# KiCad board pannel_v2.kicad_pcb (continued)
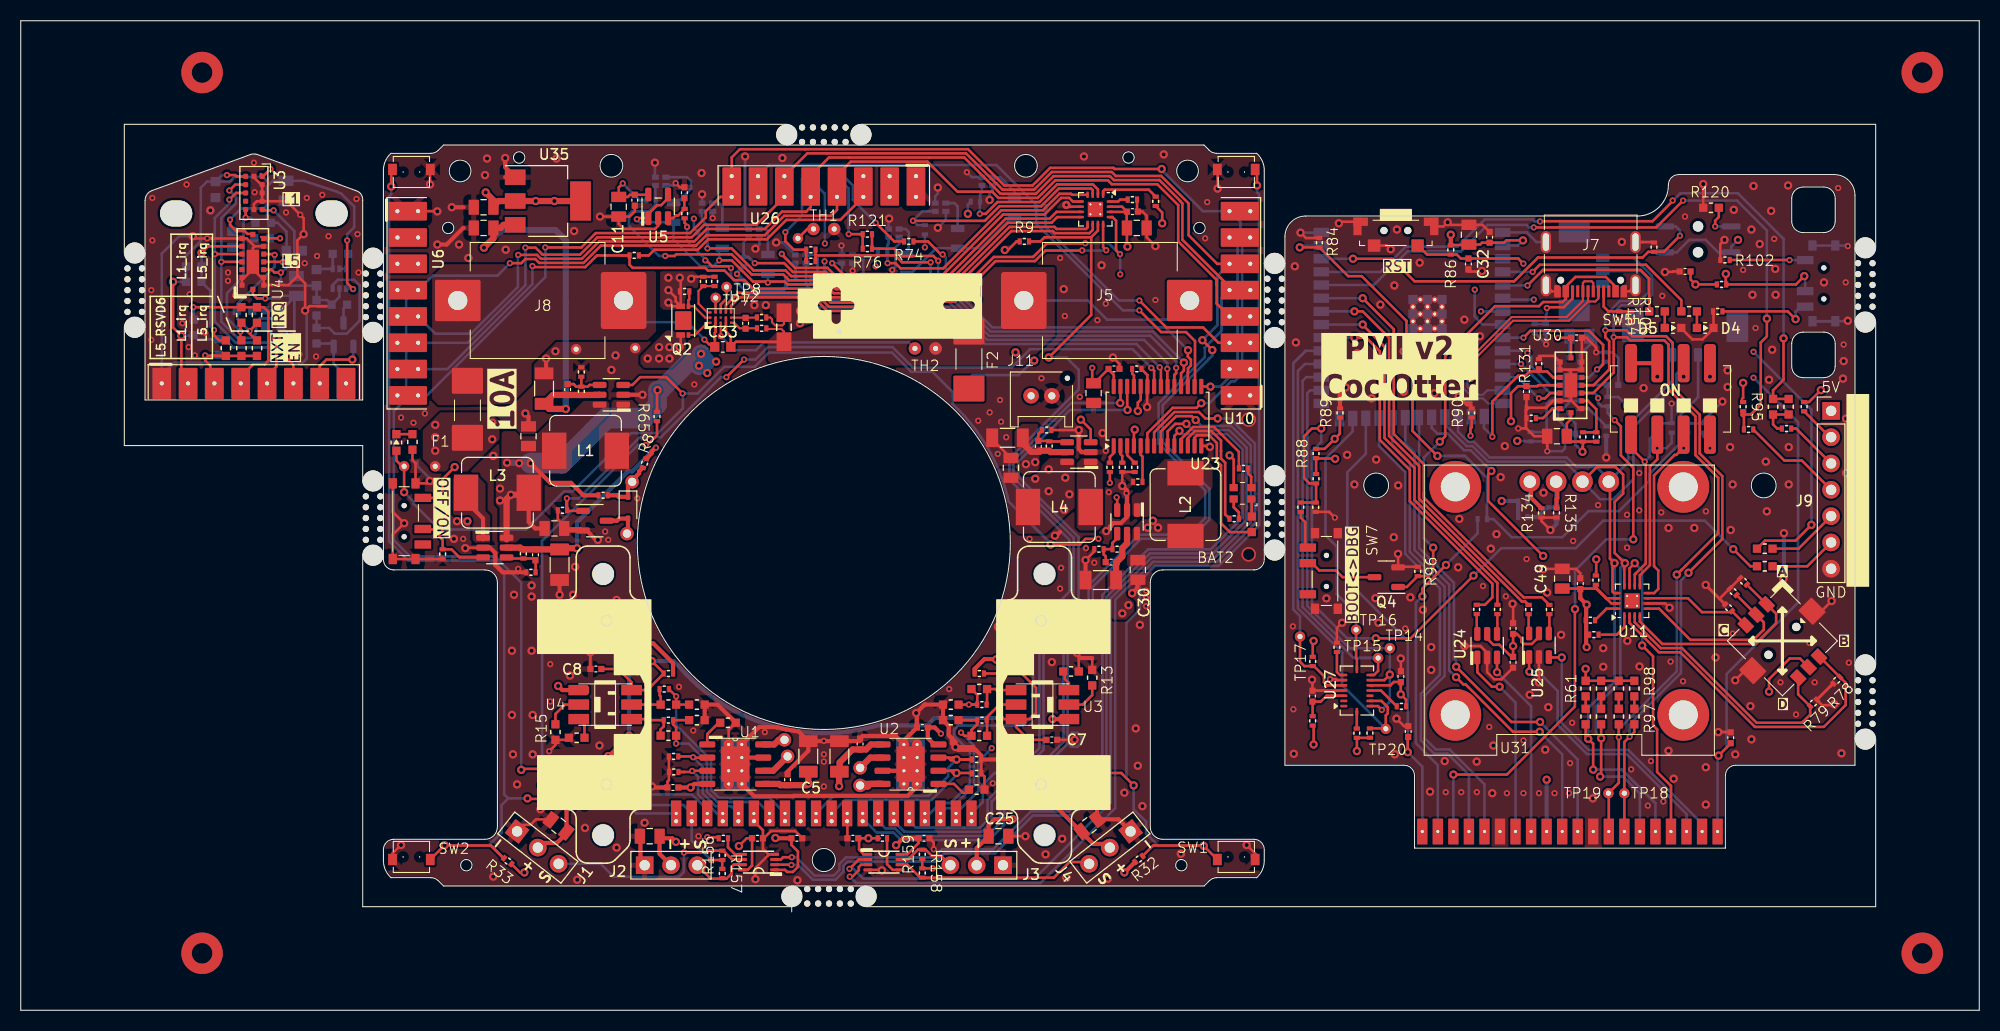
[diagram p0: board, top side]
## Routing (per net, layer and track width the routed paths; a pad name or vN(x,y) marks a point on that pad's centre or on a via; arc(x,y) is an arc through that point) (continued)
/power_supply/Vmot_left_5V: length 69.7
  Top w0.25: 52,44.48 C43.1 ; 49.54,44.34 C41.1
  Top w0.4: 52.06,44.59 51.97,44.5 C43.1 ; R8.2 60.88,53.74 60.88,53.92 61.25,54.3 v3(61.3,54.3) ; 53.59,44.5 v2(53.68,44.59)
  Top w0.6: v2(53.68,44.59) 52.06,44.59 ; 49.4,44.48 48.52,44.48 R110.1 48.34,44.5 48.19,44.65 U33.5 ; C41.1 52,44.48 ; C5.1 v2(76,21.88) 75.84,21.72 73.29,21.72 73.18,21.84 U1.5
  In1.Cu w1: v2(76,21.88) 74.22,21.88 72.7,23.4 72.7,24.6 68.9,28.4 67.69,28.4 58.9,37.19 58.9,42.5 57.3,44.1 54.17,44.1 v2(53.68,44.59)
  Bottom w0.4: 53.68,47.09 v2(53.68,44.59) ; 53.68,47.09 58.59,52 ; 53.68,47.09 58.59,52 ; 58.59,52 59,52 v3(61.3,54.3)
/power_supply/Vmot_right_5V: length 56.2
  Top w0.6: U34.5 99.38,53.87 R112.1 98.3,54 C42.1 97.5,53.9 96.7,54.7 C44.1 ; v2(78.97,21.63) 78.97,23 ; 78.97,23 79.03,23.05 79.03,23.92 80.28,25.18 81.57,25.18 82.06,25.66 83.16,25.66 ; 78.97,23 C6.1
  In1.Cu w1: v2(78.97,21.63) 78.97,24.37 81.41,26.81 86.21,26.81 89.45,30.05 89.99,30.05 91.4,31.46 91.4,32.6 96.4,37.6 96.4,52 97,52.6 v2(97,52.7) ; v2(97,52.7) 97.2,52.9 v2(97.9,52.9) 97.73,53.07 97.37,53.07 v2(97,52.7)
/propulsion/dir_left: length 11
  Top w0.25: U1.2 64.93,24.38 v3(64.89,24.42) 64.81,24.5 R1.1
  Bottom w0.25: v3(64.89,24.42) 65.81,23.5 65.81,20.93 67.05,19.7 68.55,19.7 J50.5
/propulsion/dir_right: length 18
  Top w0.25: v2(90.3,22.9) 89.97,22.9 89.75,23.12 ; v2(90.3,22.9) 90.09,23.12 89.95,23.12 ; v2(90.3,22.9) 90.26,22.87 90.01,23.12 89.95,23.12 ; v2(90.3,22.9) 91.6,22.9 ; 89.95,23.12 89.75,23.12 ; 89.75,23.12 U2.2
  Bottom w0.25: J50.11 79.55,20.3 87.9,20.3 90.3,22.7 v2(90.3,22.9)
/propulsion/encoder_supply: length 61.7
  Top w0.25: v2(94.45,28.2) 94.55,28.1 U3#2.6 ; R30.1 96.6,32.5 97.98,31.12 97.98,28.7 97.38,28.1 U3#2.6 ; C8.1 57.66,32.94 58.95,31.65 U4.6 60.45,30.9 R29.1 62.05,32.55 v2(60.9,33.7) ; U3#2.6 96.05,27.32 97.28,26.1 C7.1
  Bottom w0.4: v2(60.9,33.7) 63.01,33.7 63.56,33.15 64.14,32.51 64.75,31.89 65.39,31.3 66.05,30.75 66.74,30.22 67.46,29.73 68.2,29.27 68.95,28.85 69.73,28.47 70.52,28.12 71.33,27.81 72.16,27.54 72.99,27.3 73.84,27.11 74.69,26.96 75.55,26.85 76.42,26.77 77.28,26.74 78.15,26.75 79.02,26.81 79.88,26.9 80.74,27.03 81.58,27.2 82.43,27.42 82.7,27.5 87.48,27.5 88.18,28.2 v2(94.45,28.2)
/propulsion/i_prop_left_3v3: length 2.7
  Top w0.25: R7.1 67.35,27.75 66.25,26.65 U1.1
/propulsion/i_prop_right_3v3: length 3.3
  Top w0.25: U2.1 90.06,21.84 90.9,21 91.5,21
/propulsion/left_encod_A_3v3: length 17.4
  Top w0.25: v3(63.24,25.74) 63.25,25.75 R28.2 63.25,27.3 62.95,27.6 R26.2 R27.1
  Bottom w0.25: v3(63.24,25.74) 64.46,25.74 66.22,23.99 66.22,21.1 67.21,20.1 71.15,20.1 J50.7
/propulsion/left_encod_B_3v3: length 22.3
  Top w0.25: R20.2 v3(63.25,30.3) R24.2 R21#2.1
  Bottom w0.25: J50.8 72.25,20.5 71.32,20.5 71.32,20.5 67.38,20.5 66.62,21.26 66.62,24.15 63.25,27.52 v3(63.25,30.3)
  Bottom w0.4: J50.8 J50.8
/propulsion/mot_left_A: length 2.9
  Top w0.6: U1.6 72.62,23.12 TP3.1
/propulsion/mot_left_B: length 2.4
  Top w0.6: U1.8 72.71,25.66 73.15,26.1 TP4.1 ; 73.9,26.1 74,26
/propulsion/mot_right_A: length 2.6
  Top w0.6: 83.16,24.38 81.99,24.38 TP5.1
/propulsion/mot_right_B: length 4.5
  Top w0.6: 83.16,21.84 81.25,21.84 81,21.6 81.75,21.6 82,21.84 83.16,21.84
/propulsion/pwm_left: length 9.5
  Top w0.25: 64.05,23 R3.1 ; 64.05,23 63.77,23 ; 64.05,23 64.7,23 v3(64.8,23.1) 64.81,23.12 U1.3
  Bottom w0.25: v3(64.8,23.1) 65.37,22.53 65.37,20.81 67.18,19 J50.4
  Bottom w0.4: J50.4 J50.4
/propulsion/pwm_right: length 22.3
  Top w0.25: v2(90.3,24.2) R4#2.1 v2(90.3,24.2) ; v2(90.3,24.2) 90.12,24.38 ; 89.5,24.38 U2.3 ; 89.5,24.38 89.75,24.13 90.24,24.13 89.99,24.38 90.12,24.38 ; 89.5,24.38 90.12,24.38
  Bottom w0.25: J50.10 78.45,20.7 87.6,20.7 89.5,22.59 89.5,23.4 v2(90.3,24.2)
/propulsion/pwm_vaccum_3v3: length 70.6
  Top w0.25: Q1.1 52.78,48.2 R5.1 52.73,49.37 v3(52.7,49.4) 52.65,49.35 52.65,48.25 ; v3(109.1,62) 109.38,61.72 U23.22 ; v3(68.1,61.1) 68.1,61.11 v3(69.8,62.8)
  Bottom w0.25: v3(69.8,62.8) 70.9,62.8 72.1,64 84.12,64 86.09,62.02 95.62,62.02 97.4,63.8 107.3,63.8 v3(109.1,62) ; v3(52.7,49.4) 53.83,49.4 59.73,55.3 61.78,55.3 67.58,61.1 v3(68.1,61.1)
/propulsion/right_encod_A_3v3: length 18.9
  Top w0.25: 91.3,29.5 91.25,29.5 R22.2 92.31,30.44 R25.2 ; 91.3,29.5 92.05,29.5 R23.1 ; 91.3,29.5 v3(91.5,29.5)
  In1.Cu w0.25: v3(93.7,25.3) 91.5,27.5 v3(91.5,29.5)
  Bottom w0.25: J50.19 92.44,21.19 92.44,24.04 v3(93.7,25.3)
  Bottom w0.4: J50.19 J50.19
/propulsion/right_encod_B_3v3: length 17
  Top w0.25: 92.05,28 R18.1 R17.2 92.31,27.61 91.75,27.05 R19.2 91.05,26.49 v3(90.74,26.8)
  Bottom w0.25: J50.18 89.25,19.5 89.8,19.5 91.99,21.69 91.99,25.55 v3(90.74,26.8)
  Bottom w0.4: J50.18 J50.18
/SCL_3v3: length 31.5
  Top w0.25: v2(25.67,64.8) 25.67,62.92 26.31,62.29 J1#2.6 ; v3(19.36,72.23) U4#2.C4 ; v3(20.13,79.12) 20.7,79.68 U3.10
  Bottom w0.25: v3(20.13,79.12) 20.76,78.49 20.76,77.86 19.36,76.46 v3(19.36,72.23) 19.36,66.46 20.94,64.88 22.27,64.88 22.7,65.3 22.7,66.4 23.08,66.78 24.38,66.78 R10#2.2 25.67,65.47 v2(25.67,64.8)
/SDA_3v3: length 30.2
  Top w0.25: v3(20.13,78.23) 20.78,78.88 U3.9 ; v3(18.73,72.98) U4#2.C3 ; v2(24.67,64.8) 24.67,62.13 23.77,61.22 J1#2.5 23.8,60.53
  Bottom w0.25: R9#2.2 23.6,65.87 v2(24.67,64.8) 24.3,64.42 20.75,64.42 18.73,66.45 v3(18.73,72.98) 18.73,72.99 18.73,76.46 20.13,77.87 v3(20.13,78.23)
/sensors/ctc_left: length 108
  Top w0.25: v2(94.9,22.9) 106.2,22.9 v2(107.4,21.7) ; v2(114.16,15.86) 113.86,15.86 ; v2(114.16,15.86) SW1.2 ; v2(114.16,15.86) 114.12,15.9 109.33,15.9 109.31,15.89 109.26,15.89 R32.2 ; v2(119.3,79.6) 119.3,80.97 SW6.2
  Bottom w0.25: v2(114.16,15.86) 109.79,15.86 108.6,17.05 108.6,18.2 107.4,19.4 v2(107.4,21.7) 106.7,22.4 106.7,37.4 108,38.7 108,41.43 109.45,42.89 115.6,42.89 119.5,46.78 119.5,54.87 119.5,54.87 119.5,78.75 119.3,78.95 v2(119.3,79.6) ; J50.20 92.84,20.09 92.84,21.75 93.99,22.9 v2(94.9,22.9)
  Bottom w0.4: J50.20 J50.20
/sensors/ctc_right: length 107.2
  Top w0.25: SW2.1 v2(40.9,15.93) 40.93,15.9 45.37,15.9 ; v2(54.4,19.75) 53.75,20.4 48.95,20.4 v2(48.9,20.45) ; SW9.1 35.75,81.03 v2(35.75,79.5) ; 46.41,14.86 45.37,15.9 ; 45.37,15.9 46.59,14.68 R33.2
  Bottom w0.25: v2(48.9,20.45) 47.05,20.45 ; 47.05,20.45 46.65,20.85 46.65,42.35 45.6,43.4 37.4,43.4 35.55,45.25 35.55,78.55 35.75,78.75 v2(35.75,79.5) ; 47.05,20.45 46.4,19.8 46.4,17.15 45.18,15.93 v2(40.9,15.93) ; J50.1 59.4,19 58.7,19.7 54.45,19.7 v2(54.4,19.75)
  Bottom w0.4: J50.1 J50.1
/sensors/line_detect_l0: length 36.1
  Top w0.25: v3(73.44,73) 73.59,72.85 73.59,72.78 74.72,71.65 77.85,71.65 79.1,70.4 81,70.4 81.25,70.65 83.45,70.65 83.65,70.45 89.1,70.45 95.05,76.4 99.3,76.4 99.95,77.05 U7.7
  Bottom w0.25: v3(73.44,73) 74.34,72.1 U8.1 74.75,71.6 74.77,71.58 74.77,70.56
/sensors/line_detect_l1: length 38.6
  Top w0.25: v3(70.84,72.1) 73.67,72.1 74.52,71.25 77.65,71.25 78.9,70 81.2,70 81.45,70.25 83.25,70.25 83.45,70.05 89.3,70.05 95.25,76 99.47,76 100.02,76.55 U7.8
  Bottom w0.25: v3(70.84,72.1) 70.24,72.7 69.8,72.7 69.77,72.73 69.77,74.12 U13.1 70.22,74.58
/sensors/line_detect_l2: length 45.2
  Top w0.25: U7.9 102.95,75.55 102.8,75.4 99.97,75.4 99.77,75.6 95.67,75.6 95.67,75.6 95.42,75.6 89.47,69.65 83.28,69.65 83.08,69.85 81.65,69.85 81.4,69.6 78.65,69.6 77.4,70.85 74.35,70.85 73.8,71.4 70.72,71.4 68.6,73.53 v3(66.27,73.53)
  Bottom w0.25: U15.1 65.75,76.25 66.27,75.73 v3(66.27,73.53)
/sensors/line_detect_l3: length 57
  Top w0.25: v3(62.2,72.8) 63.1,72.8 63.25,72.95 68.6,72.95 70.56,71 73.6,71 74.15,70.45 77.2,70.45 78.45,69.2 81.6,69.2 81.85,69.45 82.92,69.45 83.12,69.25 88.55,69.25 88.6,69.2 88.65,69.25 89.63,69.25 95.58,75.2 99.6,75.2 99.6,75.2 99.8,75 103.13,75 103.45,75.32 U7.10
  Bottom w0.25: v3(62.2,72.8) 61.6,72.8 58.7,75.7 58.7,76.8 59,77.1 60.6,77.1 61.28,77.78 R52.2 61.25,78.2 U19.1
/sensors/line_detect_r0: length 30.4
  Top w0.25: U7.5 101.53,78.05 101.18,78.4 100.4,78.4 98.8,76.8 94.8,76.8 88.85,70.85 83.85,70.85 83.65,71.05 81.05,71.05 80.8,70.8 79.6,70.8 v3(78.3,72.1)
  Bottom w0.25: v3(78.3,72.1) U9.1 79.25,70.65
/sensors/line_detect_r1: length 25.1
  Top w0.25: v3(83.65,72.1) 84.4,72.1 84.9,71.6 89.03,71.6 94.62,77.2 98.63,77.2 100.23,78.8 101.35,78.8 101.45,78.7 U7.4
  Bottom w0.25: U14.1 83.75,74 83.62,73.87 R43.2 83.62,72.38 83.65,72.35 v3(83.65,72.1)
/sensors/line_detect_r2: length 23
  Top w0.25: v3(86.1,76.2) 86.11,76.19 93.04,76.19 94.45,77.6 98.47,77.6 100.17,79.3 103.3,79.3 103.45,79.15 U7.3
  Bottom w0.25: U16.1 87,77.1 v3(86.1,76.2) 86.52,75.78 R49.2
/sensors/line_detect_r3: length 16.1
  Top w0.25: v3(92.55,76.86) 93.12,76.86 94.26,78 98.3,78 100,79.7 103.47,79.7 103.95,79.22 U7.2
  Bottom w0.25: U20.1 92.75,78.9 92.58,78.73 R53.2 92.55,78.01 v3(92.55,76.86)
/sensors/line_led_3v3: length 57.2
  Top w0.25: v3(67.41,72.38) 68.61,72.38 70.66,70.33 72,70.33 v3(72.1,70.22) 72.2,70.33 73.71,70.33 73.98,70.05 77,70.05 78.25,68.8 81.8,68.8 81.88,68.87 v3(82.68,68.87) ; U5.4 62.46,78.36 61.8,77.7 61.41,77.7 60.56,76.85 U5.1 59.65,76.45 59.6,76.4 59.51,76.4 v3(59.46,76.34)
  Bottom w0.25: v3(72.1,70.22) R40.1 71.75,71.05 ; R34.1 R35.1 81.38,68.62 81.72,68.62 81.97,68.87 v3(82.68,68.87) 84.85,71.05 R41.1 85.85,71.05 88.35,73.55 92.65,73.55 95.65,76.55 R51.1 ; v3(59.46,76.34) 59.75,76.05 R50.1 63,74.4 65.6,71.8 66.83,71.8 v3(67.41,72.38) 67.41,73.46 67.5,73.55
/sensors/tof_irq: length 175
  Top w0.25: v3(47.2,72.1) 48.3,72.1 48.7,72.5 49.65,72.5 50.03,72.12 54.31,72.12 55.98,73.8 65.17,73.8 66.17,74.8 71.8,74.8 73.68,76.67 78.2,76.67 78.77,77.25 U26.4 78.77,80.57 80.1,81.9 87.5,81.9 90.4,79 93.75,79 94.35,78.4 98.14,78.4 99.84,80.1 104.92,80.1 105.3,79.72 109.68,79.72 111.7,77.7 111.7,74.2 115.4,70.5 ; v2(48.3,23.2) 48.4,23.3 v2(58.1,23.3) ; 115.4,70.5 115.4,70 ; 115.4,70.5 115.4,70 ; 115.4,70 115.4,68.21 U10.4
  Bottom w0.25: U6.4 39.75,70.9 46,70.9 v3(47.2,72.1) ; U6.4 37.2,68.65 37.2,59 36,57.8 36,45.37 37.57,43.8 45.77,43.8 48.3,41.27 v2(48.3,23.2) ; J50.3 66.25,19.36 64.79,20.82 60.58,20.82 v2(58.1,23.3)
  Bottom w0.4: J50.3 J50.3
/VL53L1_irq_3v3: length 16
  Top w0.25: R20#2.1 21.2,66.25 v3(21.2,65.5) 21.2,64.75 R4.1 ; v3(21.7,76.5) U3.7
  Bottom w0.25: v3(21.2,65.5) 19.9,66.8 19.9,69.2 21.5,70.8 21.5,76.3 v3(21.7,76.5) 22.15,76.5 R8#2.2
/VL53L5_I2C_RST_3v3: length 2.6
  Top w0.25: v3(25.03,74.5) 24,74.5 23.98,74.48 U4#2.A1
  Bottom w0.25: v3(25.03,74.5) R14#2.1
/VL53L5_irq_3v3: length 12.7
  Top w0.25: v3(24.5,72.9) 24.42,72.98 U4#2.A3 ; R21.1 22.8,66.28 v3(22.08,65.56) 22.08,65.33 22.75,64.65 R5#2.1
  Bottom w0.25: v3(22.08,65.56) 20.9,66.73 20.9,68.15 24.5,71.75 v3(24.5,72.9)
/VL53L5_RSVD6_3v3: length 14
  Top w0.25: R6#2.1 19.15,64.65 18.65,65.15 v3(18.65,65.65) ; v2(17.45,73.1) 18.08,73.73 U4#2.C2
  Bottom w0.25: v3(18.65,65.65) 18.28,66.01 18.28,69.47 R12#2.2 v2(17.45,73.1)
DETECT_IRQ_3v3: length 17.3
  Top w0.25: J1#2.4 21.23,61.13 22.42,62.33 23.53,62.33 23.9,62.7 23.9,67.4 23.45,67.85 v3(16.65,67.85)
  Bottom w0.25: v3(16.65,67.85) 16.7,67.8 R25#2.2
enable_next_board_3v3: length 11.2
  Top w0.25: v3(17.8,63.2) 17.85,63.15 R6#2.2 ; v3(17.8,63.2) 18,63.2 ; v3(17.8,63.2) 17.8,62.7 18.3,62.2 18.3,60.89 J1#2.3 ; 18.3,63.15 R5#2.2
  Bottom w0.25: 19.1,63.05 18.95,63.2 v3(17.8,63.2)
Net-(BAT2-C_BLUE): length 2.8
  Top w0.25: 117.55,48.05 117.05,48.55 BAT2.2 117.1,49.29 ; 117.55,48.05 R62.1 ; 117.55,48.05 117.1,48.5
Net-(BAT2-C_GREEN): length 2
  Top w0.25: R63.1 118.45,51.8 118.75,51.5 BAT2.4
Net-(BAT2-C_RED): length 1.7
  Top w0.25: BAT2.1 118.8,49.29 R64.1
Net-(D1-C_BLUE): length 11.7
  Top w0.25: R11.2 R117.2 74.6,73.4 73.79,74.21 v3(73.79,75.1)
  Bottom w0.25: v3(73.79,75.1) 75.4,76.71 75.4,80.3 75.95,80.85 D1.2
Net-(D1-C_GREEN): length 8.9
  Top w0.25: R76.2 R121.2 v3(79.9,74.9)
  Bottom w0.25: v3(79.9,74.9) 79.9,79.3 79.45,79.75 D1.4
Net-(D1-C_RED): length 10.5
  Top w0.25: v3(82.5,76) 84.3,74.2 R74.2
  Bottom w0.25: D1.1 79.05,80.85 80.3,79.6 80.3,78.2 v3(82.5,76)
Net-(D2-A): length 4.3
  Top w0.4: TP2.1 58.6,46.1 D2.2 57.75,47.45 57.55,47.25 Q1.3 57.25,47.25
Net-(D2-K): length 5.4
  Top w0.4: R8.1 59.67,52.01 59.67,51.83 59,51.15 TP1.1 58.6,50.6 D2.1 57.7,49.55 57.55,49.7 R75.1
Net-(D4-PadA): length 1.7
  Top w0.25: 161.75,65.8 R82.2
Net-(D5-PadA): length 1.7
  Top w0.25: 158.65,65.8 R83.2
Net-(D7-PadC): length 1.5
  Top w0.25: R114.1 D7.C
Net-(J7-CC1): length 4.3
  Top w0.25: J7.A5 152.75,67.91 153.21,67.45 R106.1
Net-(J7-CC2): length 6.4
  Top w0.25: J7.B5 149.75,68.69 148.91,67.85 147.21,67.85 147.21,67.65
  Bottom w0.25: R104.1 R105.1 147.18,67.11 147.27,67.21 v3(147.27,67.78)
Net-(J9-3V3): length 3.6
  Top w0.25: J9.2 174.59,55.31 R138.2
Net-(J9-BOOT): length 7
  Top w0.25: J9.6 172.4,42.85 R140.2
  Top w0.4: 174.75,45.15 174.75,45.55
Net-(J9-NRST): length 7
  Top w0.25: J9.5 171.56,44.55 R139.2
Net-(J9-RXD): length 5.2
  Top w0.25: R137.2 171.33,56.14 J9.3
Net-(J9-TXD): length 9.9
  Top w0.25: J9.4 171.88,53.05 170.19,53.05 R136.2
Net-(J49-vbat_mon_4.35V): length 33.5
  Top w0.25: v2(137.54,42.98) 135.26,40.7 v2(135.26,39.95)
  Bottom w0.25: R103.2 140.59,46.03 v2(137.54,42.98) ; v2(135.26,39.95) 134.64,39.32 134.64,25.78 136.75,23.66 J49.2
Net-(Q1-D): length 1.9
  Bottom w0.25: Q1#2.3 31.15,67.75 R16#2.1
Net-(Q2-S): length 1.4
  Top w0.25: v2(63.57,64.03) 63.68,63.92 Q2.S1
  vias: v2(40,56.5) v2(40,55.3) v2(40,54) v2(45.5,56.7) v2(45.5,55.1) v2(60.5,62.9) v2(61.6,64) v2(61.6,62.9) v2(62.6,64) v2(62.6,62.9)
Net-(Q4-D): length 7
  Top w0.25: SW7.B 124.61,43.15 125.31,42.45 126.91,42.45 127.56,41.8 Q4.3
Net-(Q4A-DN): length 12.9
  Bottom w0.25: R15#2.1 R18#2.1 29.75,65.85 30.3,65.3 31.45,65.3 32.7,66.55 32.7,69.98 32.18,70.5 30.62,70.5 30.1,69.98 Q4#2.6
Net-(Q4A-GN): length 2.2
  Bottom w0.25: Q4#2.2 Q4#2.3 31.4,72.8 R17#2.1
Net-(R55-Pad2): length 1.2
  Top w0.25: R55.2 R59.1
Net-(R94-Pad2): length 3.7
  Top w0.25: SW7.C 123.95,44.9 123.95,47.11 123.53,47.54 R94.2
Net-(R97-Pad1): length 1.2
  Top w0.25: R97.1 R98.2
Net-(R100-Pad1): length 1.2
  Top w0.25: R100.1 R99.2
Net-(R102-Pad1): length 7.3
  Top w0.25: R102.1 170.67,72.41 v3(170.69,72.4)
  Bottom w0.25: v3(170.69,72.4) SW3.A
Net-(R109-Pad1): length 9.2
  Top w0.25: R109.1 170.51,67.45 171.28,66.69 v2(171.28,66.7)
  Bottom w0.25: SW3.C 171.76,67.9 171.28,67.41 v2(171.28,66.7)
Net-(R120-Pad1): length 3.5
  Top w0.25: v3(163.51,75.65) 163.51,76.2 163.86,76.55 R120.1
  Bottom w0.25: U18.1 v3(163.51,75.65)
Net-(R149-Pad1): length 1.2
  Top w0.25: R149.1 R61.2
Net-(TH1-Pad1): length 1.9
  Top w0.25: TP12.1 75.9,75.4 TH1.1
Net-(U3-C1): length 3.6
  Top w0.25: U3#2.2 102.48,29.5 103.4,30.42 R13.1
Net-(U3-C2): length 1.8
  Top w0.25: U3#2.3 101.15,31.57 100.75,31.97 100.75,32.5
Net-(U3-E1): length 4.4
  Top w0.25: R22.1 93.25,29.54 R25.1 94.06,31 94.16,30.9 U3#2.4
Net-(U3-E2): length 5.3
  Top w0.25: 95.93,29.38 U3#2.5 94.45,29.5 93.25,28.3 R19.1
Net-(U4-C1): length 3.6
  Top w0.25: U4.2 52.5,29.5 51.6,28.6 R15.1
Net-(U4-C2): length 3.3
  Top w0.25: R16.1 54.4,27.25 ; 54.4,27.25 54.4,27.55 U4.3 54.2,28.1 54.4,27.9 54.4,27.25
Net-(U4-E1): length 4.8
  Top w0.25: U4.4 60.6,28.1 60.7,28 R26.1 62.05,27.4 61.75,27.1 R28.1
Net-(U4-E2): length 4.3
  Top w0.25: U4.5 R24.1 61.75,30.3 61.65,30.4 R20.1
Net-(U5-+): length 3
  Top w0.25: C9.1 64.04,77.36 R31.2 63.43,76.7 63.2,76.7 62.95,76.45 U5.3
Net-(U7-ADDR): length 1.8
  Top w0.25: U7.16 105.9,78.05 106.09,78.24 R10.1
Net-(U7-~{RESET}): length 5.8
  Top w0.25: R12.2 108.84,79.2 104.6,79.2 104.45,79.05 U7.1
Net-(U8-A): length 3.5
  Bottom w0.25: 76.6,70.55 76.5,70.45 ; 75.91,72.9 76.7,72.9 76.9,72.7 76.9,71.4 76.7,71.2 R34.2
Net-(U9-A): length 3.4
  Bottom w0.25: R35.2 81.3,72.5 80.9,72.9 U9.3 ; 81.1,70.55 81,70.45
Net-(U10-enable_next_board_3v3): length 24.3
  Top w0.25: v3(107.95,68.5) 110.55,65.9 114.1,65.9 115.58,64.42 U10.3
  Bottom w0.25: v3(107.95,68.5) 105.97,68.5 98.9,75.57 R85.1
Net-(U11-ADDR): length 2.6
  Top w0.25: U11.16 153.03,38.76 R118.2
Net-(U11-~{RESET}): length 3.6
  Top w0.25: 152.56,36.25 154.01,36.25 154.75,36.99 U11.1
Net-(U12-BAT_SN): length 2.7
  Top w0.25: U12.C3 67.55,68.12 68.12,68.68 TP8.1
Net-(U12-BAT_SP): length 1.4
  Top w0.25: U12.B3 67.05,68.74 TP7.1
Net-(U12-CHG): length 2.6
  Top w0.2: Q2.G1 65.07,65.17 66.25,66.35 U12.A1
Net-(U12-DSG): length 4
  Top w0.2: Q2.G2 64.96,67.94 66.05,66.85 U12.A2
  Top w0.25: Q2.G2 64.43,68.53 64.52,68.62 R151.1
Net-(U12-PACK): length 4.5
  Top w0.2: R153.2 66.95,69.89 R152.2 65.4,69.42 65.4,68.2 66.25,67.35 U12.A3
Net-(U12-SRN): length 2.5
  Top w0.2: R155.2 71.02,66.85 U12.E2
Net-(U12-SRP): length 2.7
  Top w0.2: R81.2 69.38,65.82 68.85,66.35 U12.E1
Net-(U12-TS): length 21.4
  Top w0.15: v3(67.55,65.05) 67.55,65.35
  Top w0.2: v3(67.55,65.05) U12.C1
  Bottom w0.25: v3(67.55,65.05) 68.9,63.7 70.95,63.7 71.7,64.45 85.71,64.45 TH2.1
Net-(U13-A): length 3.1
  Bottom w0.25: 71.41,75.4 71.9,75.4 72.1,75.2 72.1,73.05 72,72.95
Net-(U14-A): length 3.1
  Bottom w0.25: 84.91,75.4 85.4,75.4 85.7,75.1 85.7,73.6 85.6,73.5 85.6,73.05 R41.2
Net-(U15-A): length 3.2
  Bottom w0.25: R46.2 67.7,77.6 67.4,77.9 66.91,77.9 ; 67.6,75.55 67.5,75.45
Net-(U16-A): length 3.3
  Bottom w0.25: R47.2 90.41,77.59 90.1,77.9 89.41,77.9
Net-(U17-DIR): length 4
  Top w0.25: R143.2 83.6,14.1 84.15,13.55 U17.5
Net-(U19-A): length 5.5
  Bottom w0.25: R50.2 63.35,77.95 64.7,79.3 64.7,80 64.3,80.4 U19.3
Net-(U20-A): length 3.4
  Bottom w0.25: 93.91,80.4 U20.3 94.5,80.4 95.9,79 R51.2
Net-(U21-DIR): length 2.6
  Top w0.25: U21.5 68.93,15.05 68.25,15.73 68.25,16.6
Net-(U22-RSVD6): length 5.5
  Bottom w0.25: R126.2 R125.2 147.25,58.5 147.57,58.82 U22.C2
Net-(U23-A0): length 2.1
  Top w0.25: R57.2 105.1,53.4 105.47,53.78 105.47,54.8
Net-(U23-A1): length 2
  Top w0.25: R56.1 106.3,53.5 106.12,53.67 106.12,54.8
Net-(U23-A2): length 2.2
  Top w0.25: 106.78,54.8 106.78,53.58 R58.1
Net-(U23-A4): length 3.9
  Top w0.25: 108.07,54.8 108.07,53.61 108.25,53.44 R60.1
Net-(U23-EXTCLK): length 1.7
  Top w0.25: 107.26,61.86 107.26,61.44 107.43,61.28 U23.25
Net-(U24-1Y): length 1.9
  Top w0.25: U24.6 140.5,36.39 R144.1
Net-(U24-2Y): length 1.9
  Top w0.25: R145.1 142.5,36.36 U24.4
Net-(U25-1Y): length 1.9
  Top w0.25: R146.1 145.51,36.41 U25.6
Net-(U25-2Y): length 1.9
  Top w0.25: U25.4 147.51,36.41 R147.1
Net-(U26-enable_next_board_3v3): length 24
  Top w0.25: U26.3 79.09,76.28 73.88,76.28 72,74.4 66.33,74.4 65.33,73.4 61.15,73.4 60.6,72.85 R87.1
Net-(U27-INT1): length 1.9
  Top w0.25: R45.2 128.93,28.84 U27.16 128.94,28.58
Net-(U27-INT3): length 3.2
  Top w0.25: U27.12 131.26,30.86 R101.2
Net-(U27-ProtocolSelect): length 2.7
  Top w0.25: R39.1 127.01,32.65 127.31,32.36 U27.7
Net-(U27-Vdd): length 4.7
  Top w0.25: R141.2 124.67,29.77 C20.1 125.45,29.79 126.02,30.36 U27.3
Net-(U28-FB): length 4.4
  Top w0.25: 53.35,60.43 53.6,60.19 R66.2 ; 53.35,60.43 C29.2 ; 53.35,60.43 53.47,60.31 ; R66.2 R107.1 ; R66.2 54.74,60.19 54.9,60.35 U28.4 55.85,60.36
Net-(U29-FB): length 3.9
  Top w0.25: U29.4 105.81,45.56 105.35,45.1 R67.2 R108.1 104.5,44 104.7,43.8 C37.2
Net-(U30-RSVD6): length 5.3
  Top w0.25: R130.2 150.87,55.78 150.87,55.78 R129.2 152.05,58 151.23,58.82 U30.C2
Net-(U31-GND): length 5.5
  Top w0.4: 145.9,51.15 145.74,51.15 145.74,49.46 R134.2
  Bottom w0.4: R133.1 145.4,49.56 145.74,49.9 145.74,51.15
Net-(U31-VCC): length 10.4
  Top w0.4: 148.28,51.15 148.28,49.4 148.2,49.32 R135.1
  Bottom w0.25: R132.1 145.7,47.6
  Bottom w0.4: 146.35,47.6 R132.1 ; 146.35,47.6 145.7,47.6 ; 146.35,47.6 147.28,48.53 C31.1 148.2,49.65 ; 148.2,49.65 148.2,51.07 148.28,51.15 ; 148.2,49.65 148.2,48.78
Net-(U32-IO45,GPIO45): length 6.4
  Top w0.25: R88.2 125.83,54.18 v2(126.8,55.15) 127.3,55.65 127.3,57
  Bottom w0.25: v2(126.8,55.15) 127.26,55.61 U32.26
Net-(U32-IO46,GPIO46): length 3.4
  Top w0.25: 140.01,56.9 140.01,56.25 139.9,56.14 v3(139.9,55.45)
  Bottom w0.25: 139.9,57.35 v3(139.9,55.45)
Net-(U32-TXD0,U0TXD,GPIO43,CLK_OUT1): length 67.2
  Top w0.25: v3(146.61,76.12) 146.64,76.15 157.47,76.15 159.41,78.1 v3(159.41,78.15) ; v2(170.11,64.85) 170.11,60.85 169.1,59.84 R91.1 R92.1
  Bottom w0.25: v3(146.61,76.12) 146.61,76.13 146.11,76.13 145.91,76.33 141.28,76.33 138.65,73.7 133.65,73.7 131.2,71.25 125.51,71.25 U32.37 ; v3(159.41,78.15) 159.47,78.15 160.17,78.85 165.71,78.85 170.11,74.45 v2(170.11,64.85)
Net-(U33-FB): length 3.9
  Top w0.25: 48.64,43.6 49.5,43.6 C41.2 49.68,43.42 R111.1 ; 48.49,43.59 R110.2 46.99,43.6 U33.4
Net-(U33-SW): length 5
  Top w0.4: 42.97,49.75 42.97,49.09 44.61,47.46 44.61,45.45
Net-(U34-FB): length 4
  Top w0.25: U34.4 100.9,54.9 R112.2 99.2,54.95 C42.2 98.2,55.65 R113.1
unconnected-(U6-enable_next_board_3v3-Pad3): length 2
  Top w0.25: 38.36,72.04 36.75,72.04
  Top w0.4: 36.75,72.04 37.17,72.04

## Copper pours and planes (outline as drawn; the poured copper is in the pictures)
+3V3 on In1.Cu: 118.5,10.4 120.2,12.1 120.2,81.9 118.5,83.6 36.4,83.6 34.7,81.9 34.7,12.2 36.5,10.4
+3V3 on In1.Cu: 58.8,83.4 58.8,77.1 68,67.9 84.1,67.9 89.5,73.3 92.3,73.3 95.6,76.6 95.6,83.4
+3V3_m on In1.Cu: 122.01,83.15 122.01,15.65 177.01,15.65 177.11,15.75 177.11,83.15
+5V on Top: 106.47,42.5 106.67,42.3 106.67,40.1 107.44,39.33 107.46,38.48 106.67,37.7 105.47,37.7 104.87,38.3 104.87,42.3 105.07,42.5
GND on Top, Bottom: 118.5,10.4 120.2,12.1 120.2,81.9 118.5,83.6 36.4,83.6 34.7,81.9 34.7,12.2 36.5,10.4
GND on Top, Bottom: 33.5,82.9 33.5,57.9 11.5,57.9 11.5,82.9
GND_m on Top, Bottom: 134.5,15.85 134.11,23.25 122.01,23.65 122.01,76.65 155.91,76.65 159.45,80.65 177,80.65 177.05,23.6 165.01,23.25 164.6,15.65
+BATT on Top: 64.3,67.6 64.3,69.2 64.8,69.7 65.4,69.7 65.4,70.9 64.8,71.5 62,71.5 61.7,71.2 61.7,67.9 62,67.6
+BATT on Top: 107.2,46.35 107.2,44.5 106.75,44.1 106.75,43 107.26,42.49 109,42.47 109.35,42.9 114.6,42.9 115.5,43.8 115.5,46.9 114.75,47.65 108.5,47.65
+BATT on Top: 46.6,55.9 47.7,55.9 48.2,55.4 49.6,55.4 50.35,54.65 50.35,48.1 49.95,47.7 47,47.7 45.85,48.85 45.85,51.35 46.4,51.9 46.4,55.7
+BATT on Top: 49.2,51.8 48,53 48,55 48.4,55.4 49.6,55.4 51.6,57.4 52.9,57.4 54.3,58.8 56.6,58.8 56.8,58.6 56.8,57.6 53.2,54 53.2,52.4 52.6,51.8
+BATT on Top: 99.3,53.3 101.5,53.3 101.7,53.1 101.7,48.5 98.9,46 96.3,46 95.3,47 93.6,51.3 94.5,52.3 98.3,52.3
+BATT on Top: 47.6,44.95 48.2,45.55 50.9,45.55 51.15,45.8 51.15,47.3 50.35,48.1 50.35,51.3 50.2,51.45 46.65,51.45 45.85,50.65 45.85,48.85 46.2,48.5 46.2,45.1 46.35,44.95
+BATT on Bottom: 46.5,53.5 49.4,53.5 49.8,53.1 49.8,51.1 47.2,48.5 45.9,48.5 45,49.4 45,52
+BATT on Bottom: 61.05,64.25 67,64.25 67.85,63.4 67.85,62.4 61.45,56 58.65,56 54.25,51.6 41.85,51.6 41.3,52.15 41.3,53.13 45.66,57.5 54.3,57.5
+BATT on Bottom: 106.2,52.7 110.4,48.7 110.4,46.5 109.9,46 102.5,45.9 97.4,50.9 97.4,51.7 98.4,52.7
+BATT on In1.Cu: 64.9,61.9 64.9,65.2 61.9,68.2 61.9,70.8 62.6,71.5 65.1,71.5 69.3,67.3 91.1,67.3 101.9,56.2 101.9,49 100.8,47.9 98.4,47.9 85.3,60.8 69.3,60.8 69.2,60.7 66.1,60.7
/power_supply/+cell on Top: 39.7,59 40.3,58.4 42.1,58.4 47.3,58.5 49.3,60.5 49.3,62.4 51.6,64.7 60.5,64.7 61.3,65.5 61.3,71.2 60.5,72 40.9,72 39.7,70.8
/power_supply/-cell on Top: 72.9,65.4 74.4,65.4 76.28,66.06 79.64,69.35 90.7,69.2 93.23,71.73 99.79,71.73 99.79,65.13 96.89,62.23 72.59,62.23 72.09,62.73 72.09,64.6
/power_supply/Vmot_right_5V on Top: 98.3,56.39 98.3,52.29 97.7,51.69 96.7,51.69 95.9,52.49 95.9,55.89 96.6,56.59 98.1,56.59
Net-(Q2-S) on Top: 62.3,65.6 64.2,65.6 64.2,63.4 62.8,62 60.2,62 59.8,62.4 59.8,63.1
Net-(Q2-S) on Top: 38.8,56 38.8,53.2 40,52 43.1,52 46.2,55.1 46.2,56.8 45.3,57.7 40.5,57.7
Net-(Q2-S) on In1.Cu: 39,56.2 47.9,65.1 63.15,65.1 64,64.25 64,61.2 54.4,51.6 39.5,51.6 39,52.1
Net-(U28-SW) on Top: 57.2,58.9 59,58.9 59.6,58.3 59.6,53 58.6,52 56,52 55.8,52.2 55.8,56.4 57,57.6 57,58.7
Net-(U29-SW) on Top: 107.2,47.9 107.5,47.6 112.2,47.6 115,50.4 115,52.6 114.4,53.2 110.4,53.2 109.1,51.9 109.1,50.9 108.15,49.95 107.55,49.95 107.2,49.6
Net-(U33-SW) on Top: 45.3,47.75 44.85,48.2 44.85,50.8 44.15,51.5 41.9,51.5 41.7,51.3 41.7,47.95 41.9,47.75 43.25,47.75 43.6,47.4 43.6,45.4 44,45 45.15,45 45.3,45.15
Net-(U34-SW) on Top: 102.4,53.3 103.8,53.3 104.4,52.7 104.4,46.8 103.9,46.3 102.2,46.3 101.9,46.6 101.9,52.8

Small or netless copper shapes (teardrops, artwork), in the pictures only: 7 on Top, 6 on Bottom

## Text on the board
B.Silkscreen: PMI_TOF_SENSOR | PMI V2 / Coc'Otter
F.Silkscreen: L5_RSVD6 | L1_irq | L5_irq | L1 | L5 | RST | IRQ | NXT / EN | BOOT<>DBG | OFF/ON | 10A | - | + | PMI v2 / Coc'Otter
